# Altium PCB Proyecto_0 - V2.PcbDoc (part 3 of 6)
Units mil, origin at the board's own origin, x right, y up, seen from the top; angles counter-clockwise.
Board outline 2559.06 x 1771.65 mil, 10 copper layers (TOP, GND[1], VDD[1], Signal[1], GND[2], VDD[2], Signal[2], GND[3], VDD[3], BOT), stack 79.883 mil thick; 188 components, 257 nets, 1108 pads, 915 vias.
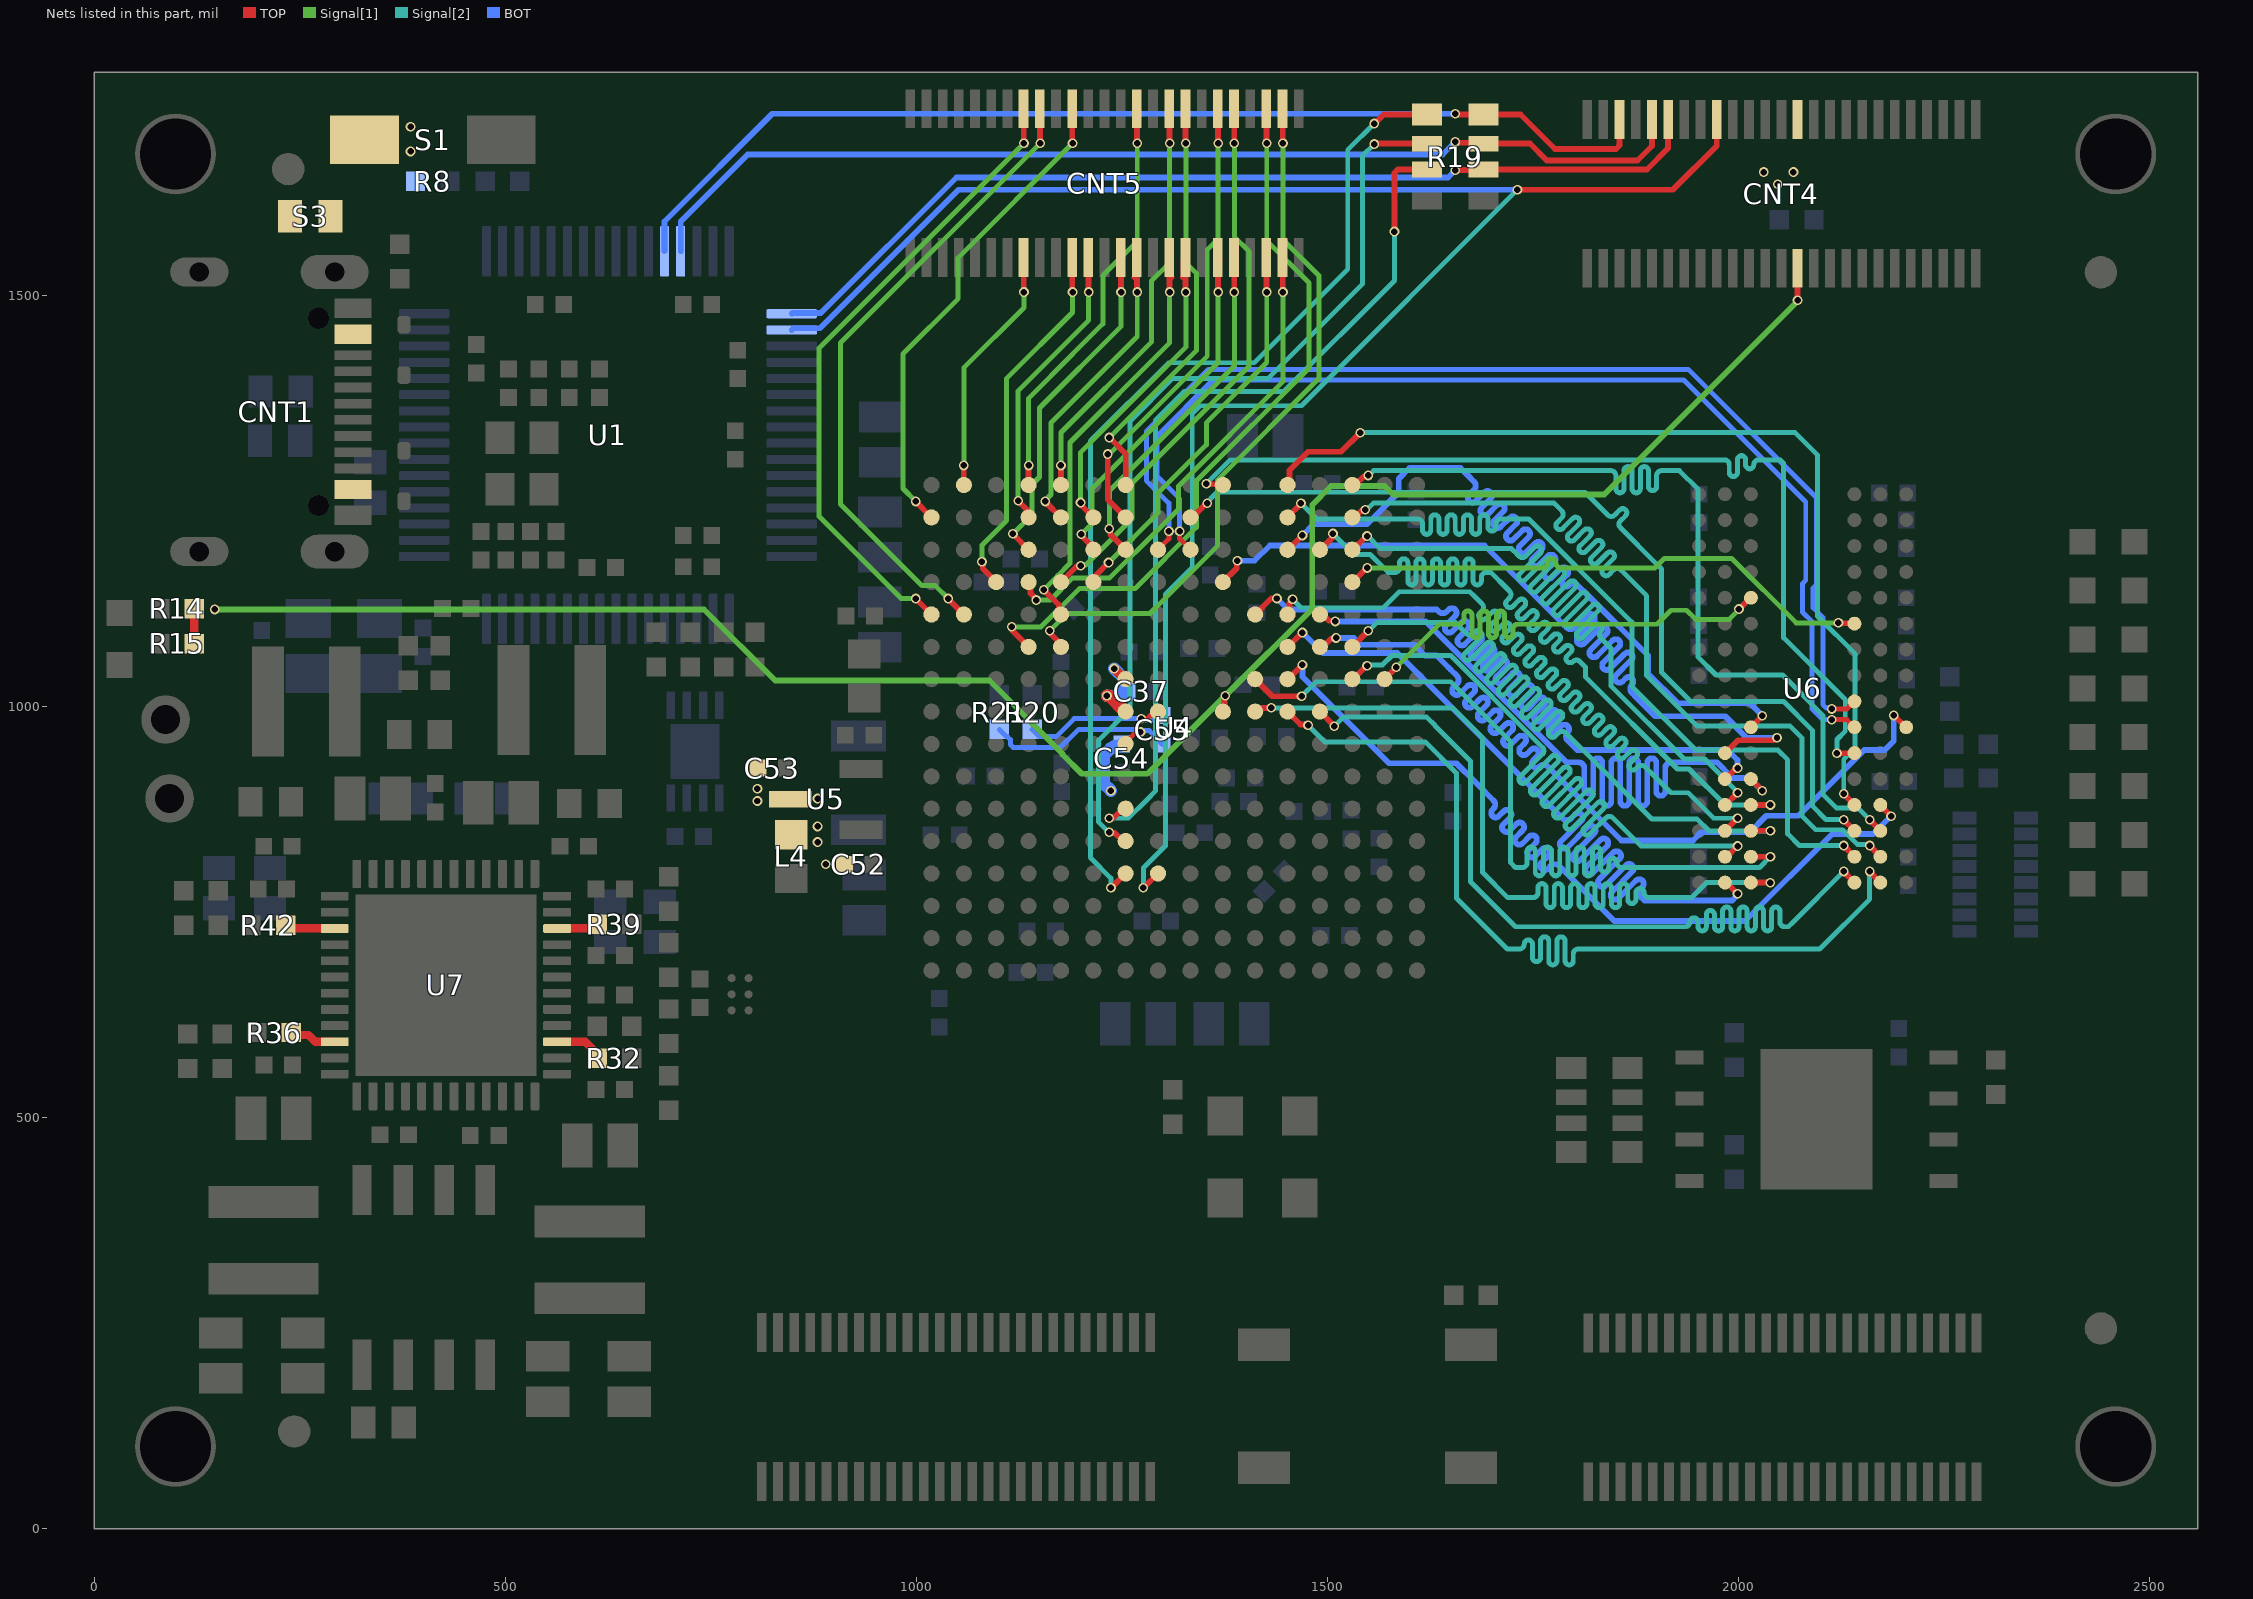
[diagram p11: the nets of this part, all layers, seen from the top]

## Via types
v1: diameter 11.81, hole 7.87, TOP to BOT, 915 vias

## Nets (pads, with @x,y where several pads share a name; then routed paths per layer and width w, separated by ;. In a path a pad name is that pad's centre, name@x,y a point inside that pad or via, vN(x,y) a via of type N, cw(c..) or ccw(c..) an arc to the next point about the centre after c; other vN are vias at no path point) (continued)
A3: CNT5.45 U4.B7 | length 562.8
  TOP w7: v1(1233,1307) 1233,1251.8 U4.B7@1254.83,1229.97 ; CNT5.45@1367.09,1726.76 1367.09,1685.34 v1(1367.33,1685.1)
  Signal[1] w6: v1(1233,1307) 1234.57,1307 1237.48,1309.91 1237.91,1309.91 1286.56,1358.56 1354,1426 1354,1555.6 1367.33,1568.93 v1(1367.33,1685.1)
A4: CNT5.6 U4.C6 | length 434.3
  TOP w6: CNT5.6@1366.85,1545.9 1367.09,1545.66 CNT5.6@1369.76,1542.99
  TOP w7: v1(1200.77,1209.29) 1200.77,1207.99 1215.46,1193.3 U4.C6@1215.46,1190.6 ; CNT5.6@1367.09,1545.66 1367.09,1504.24 v1(1367.33,1504)
  Signal[1] w6: v1(1200.77,1209.29) 1214,1222.52 1214,1265 1367.33,1418.33 v1(1367.33,1504)
A5: CNT5.5 U4.C7 | length 430.5
  TOP w6: CNT5.5@1383.63,1542.99 CNT5.5@1386.54,1545.9
  TOP w7: v1(1235,1216) 1235.92,1215.08 1235.92,1209.51 U4.C7@1254.83,1190.6 ; CNT5.5@1386.78,1545.66 1386.78,1504.24 v1(1387.02,1504)
  Signal[1] w6: v1(1235,1216) 1235,1262 1387.02,1414.02 v1(1387.02,1504)
A7: CNT5.3 U4.D6 | length 486
  TOP w6: CNT5.3@1425.91,1545.9 CNT5.3@1428.81,1542.99
  TOP w7: U4.D6@1215.46,1151.23 1215.46,1154.66 1219.81,1159.01 1219.81,1160.81 v1(1234,1175) ; CNT5.3@1426.15,1545.66 1426.15,1504.24 v1(1426.39,1504)
  Signal[1] w6: v1(1234,1175) 1294,1235 1294,1259.19 1353,1318.19 1353,1345 1426.39,1418.39 v1(1426.39,1504)
ADC_IN_N: C55.1 R21.1 U4.J7 | length 247.9
  TOP w6: U4.J7@1254.83,954.37 1254.83,956.3 v1@1266.92,968.39
  BOT w6: R21.1@1101,972 1109.81,963.19 1110.99,963.19 1114.5,959.67 1114.5,953.7 1118.01,950.19 1175.57,950.19 1197.58,972.19 1267.88,972.19 1271.16,968.91 v1(1272.73,968.91) 1273.84,970.02 1277.95,970.02 1278.48,970.55 1283.64,970.55 1291.76,962.42 1291.76,961.59 C55.1@1299,954.35
ADC_IN_P: C55.2 R20.1 U4.H8 | length 197.8
  TOP w6: v1(1273.69,985.19) 1280.89,985.19 1284.5,988.8 1285.56,988.8 1290.5,993.74 U4.H8@1294.2,993.74
  BOT w6: R20.1@1141,972 1149.81,963.19 1170.19,963.19 1192.19,985.19 v1(1273.69,985.19) 1274.81,984.08 1278.91,984.08 1279.44,983.55 1293.55,983.55 C55.2@1299,989
ADD0: U4.C13 U6.N3 | length 1165.5
  TOP w7: U4.C13@1491.05,1190.6 1491.44,1190.6 1505.96,1205.11 1505.96,1209.38 v1(1506.88,1210.3) ; U6.N3@2015.22,880.2 v1(2039.01,880.22)
  Signal[2] w6: v1(1506.88,1210.3) 1532.18,1185 1552,1185 1574,1163 1579,1163 1582,1163 ccw(c1582,1169) 1588,1169 1588,1174.62 cw(c1592.97,1174.62) 1597.94,1174.62 1597.94,1152.78 ccw(c1602.91,1152.78) 1607.87,1152.78 1607.87,1174.62 cw(c1612.84,1174.62) 1617.81,1174.62 1617.81,1152.78 ccw(c1622.78,1152.78) 1627.75,1152.78 1627.75,1174.62 cw(c1632.72,1174.62) 1637.69,1174.62 1637.69,1152.78 ccw(c1642.65,1152.78) 1647.62,1152.78 1647.62,1174.62 cw(c1652.59,1174.62) 1657.56,1174.62 1657.56,1152.78 ccw(c1662.53,1152.78) 1667.5,1152.78 1667.5,1174.62 cw(c1672.46,1174.62) 1677.43,1174.62 1677.43,1152.78 ccw(c1682.4,1152.78) 1687.37,1152.78 1687.37,1157 cw(c1693.37,1157) 1693.37,1163 1699,1163 1706.08,1155.92 1712.5,1149.5 1721.65,1140.35 cw(c1717.41,1136.11) 1721.65,1131.87 1718.43,1128.65 ccw(c1721.94,1125.14) 1718.43,1121.62 ccw(c1721.94,1125.14) 1725.46,1121.62 1732.94,1129.11 cw(c1736.45,1125.59) 1739.97,1129.1 cw(c1736.45,1125.59) 1739.97,1122.08 1732.48,1114.6 ccw(c1736,1111.08) 1732.48,1107.57 ccw(c1736,1111.08) 1739.51,1107.57 1746.99,1115.05 cw(c1750.51,1111.54) 1754.02,1115.05 cw(c1750.51,1111.54) 1754.02,1108.03 1746.54,1100.54 ccw(c1750.05,1097.03) 1746.54,1093.52 ccw(c1750.05,1097.03) 1753.56,1093.52 1761.05,1101 cw(c1764.56,1097.49) 1768.07,1101 cw(c1764.56,1097.49) 1768.07,1093.97 1760.59,1086.49 ccw(c1764.1,1082.98) 1760.59,1079.46 ccw(c1764.1,1082.98) 1767.62,1079.46 1775.1,1086.95 cw(c1778.61,1083.43) 1782.13,1086.95 cw(c1778.61,1083.43) 1782.13,1079.92 1776.65,1074.45 ccw(c1780.17,1070.93) 1776.65,1067.42 ccw(c1780.17,1070.93) 1783.68,1067.42 1789.13,1072.87 cw(c1792.64,1069.36) 1796.16,1072.87 cw(c1792.64,1069.36) 1796.16,1065.84 1791.91,1061.6 ccw(c1795.43,1058.09) 1791.91,1054.57 ccw(c1795.43,1058.09) 1798.94,1054.57 cw(c1803.18,1050.33) 1807.43,1054.57 1814,1048 1814,1045.72 1814,1036 1926.02,923.98 1939.98,923.98 1983.74,880.22 v1(2039.01,880.22)
ADD1: U4.B9 U6.P7 | length 1150.1
  TOP w7: U4.B9@1333.57,1229.97 1335.66,1229.97 1352.7,1247 v1(1354,1247) ; v1(2128.19,862.33) 2128.19,862.02 2141.2,849.01 U6.P7@2141.2,848.7
  Signal[2] w6: v1(1354,1247) 1354,1248.57 1361.58,1256.15 1361.58,1256.26 1365.82,1260.5 1813.5,1260.5 1839,1235 1841.12,1232.88 ccw(c1845.36,1237.12) 1849.61,1232.88 1855.86,1239.14 cw(c1859.38,1235.62) 1862.89,1239.14 cw(c1859.38,1235.62) 1862.89,1232.11 1856.63,1225.85 ccw(c1860.88,1221.61) 1856.63,1217.37 1900.31,1173.69 1906.5,1167.5 1906.5,1041.5 1942,1006 2055,1006 2090,971 2090,879 2106.67,862.33 v1(2128.19,862.33)
ADD2: U4.F14 U6.P3 | length 1159.8
  TOP w7: U4.F14@1530.62,1072.49 1530.62,1072.62 1549.94,1091.94 v1(1550,1091.94) ; U6.P3@2015.22,848.7 v1(2039.01,848.72)
  Signal[2] w6: v1(1550,1091.94) 1550.53,1091.94 1560.81,1102.21 1655.73,1102.21 1666.97,1090.97 1669.09,1088.85 ccw(c1673.33,1093.09) 1677.58,1088.85 1679.58,1090.85 cw(c1683.1,1087.34) 1686.61,1090.85 cw(c1683.1,1087.34) 1686.61,1083.83 1667.24,1064.46 ccw(c1670.76,1060.95) 1667.24,1057.43 ccw(c1670.76,1060.95) 1674.27,1057.43 1693.64,1076.8 cw(c1697.15,1073.29) 1700.66,1076.8 cw(c1697.15,1073.29) 1700.66,1069.77 1681.3,1050.41 ccw(c1684.81,1046.89) 1681.3,1043.38 ccw(c1684.81,1046.89) 1688.32,1043.38 1707.69,1062.75 cw(c1711.2,1059.23) 1714.71,1062.75 cw(c1711.2,1059.23) 1714.71,1055.72 1695.35,1036.35 ccw(c1698.86,1032.84) 1695.35,1029.33 ccw(c1698.86,1032.84) 1702.38,1029.33 1721.74,1048.69 cw(c1725.25,1045.18) 1728.77,1048.69 cw(c1725.25,1045.18) 1728.77,1041.67 1709.4,1022.3 ccw(c1712.91,1018.79) 1709.4,1015.28 ccw(c1712.91,1018.79) 1716.43,1015.28 1735.79,1034.64 cw(c1739.31,1031.13) 1742.82,1034.64 cw(c1739.31,1031.13) 1742.82,1027.61 1723.45,1008.25 ccw(c1726.97,1004.74) 1723.45,1001.22 ccw(c1726.97,1004.74) 1730.48,1001.22 1749.85,1020.59 cw(c1753.36,1017.08) 1756.87,1020.59 cw(c1753.36,1017.08) 1756.87,1013.56 1737.51,994.2 ccw(c1741.02,990.68) 1737.51,987.17 ccw(c1741.02,990.68) 1744.53,987.17 1763.9,1006.54 cw(c1767.41,1003.02) 1770.93,1006.54 cw(c1767.41,1003.02) 1770.93,999.51 1751.56,980.14 ccw(c1755.07,976.63) 1751.56,973.12 ccw(c1755.07,976.63) 1758.59,973.12 1777.95,992.48 cw(c1781.47,988.97) 1784.98,992.48 cw(c1781.47,988.97) 1784.98,985.46 1770.43,970.91 ccw(c1773.95,967.4) 1770.43,963.88 ccw(c1773.95,967.4) 1777.46,963.88 1781.52,967.94 cw(c1785.76,963.7) 1790,967.94 1795,962.94 1801.91,956.03 1804.03,953.91 1894.94,863 1950,863 1964.28,848.72 v1(2039.01,848.72)
ADD3: U4.C14 U6.N2 | length 1165.6
  TOP w7: U4.C14@1530.62,1190.6 1531.06,1190.6 1547.75,1207.28 v1(1548.39,1207.28) ; U6.N2@1983.72,880.2 1984.46,880.2 1999.26,895 v1@2000,895
  Signal[2] w6: v1(1548.39,1207.28) 1549.08,1207.28 1564.36,1192 1724,1192 1731,1185 1733.12,1182.88 ccw(c1737.36,1187.12) 1741.61,1182.88 1752.29,1193.56 cw(c1755.8,1190.05) 1759.31,1193.56 cw(c1755.8,1190.05) 1759.31,1186.53 1733.96,1161.17 ccw(c1737.47,1157.66) 1733.96,1154.15 ccw(c1737.47,1157.66) 1740.98,1154.15 1766.34,1179.51 cw(c1769.85,1175.99) 1773.37,1179.51 cw(c1769.85,1175.99) 1773.37,1172.48 1748.01,1147.12 ccw(c1751.52,1143.61) 1748.01,1140.1 ccw(c1751.52,1143.61) 1755.04,1140.1 1780.39,1165.45 cw(c1783.91,1161.94) 1787.42,1165.45 cw(c1783.91,1161.94) 1787.42,1158.43 1762.06,1133.07 ccw(c1765.58,1129.56) 1762.06,1126.04 ccw(c1765.58,1129.56) 1769.09,1126.04 1794.45,1151.4 cw(c1797.96,1147.89) 1801.47,1151.4 cw(c1797.96,1147.89) 1801.47,1144.37 1776.12,1119.02 ccw(c1779.63,1115.5) 1776.12,1111.99 ccw(c1779.63,1115.5) 1783.14,1111.99 1808.5,1137.35 cw(c1812.01,1133.83) 1815.53,1137.35 cw(c1812.01,1133.83) 1815.53,1130.32 1790.17,1104.96 ccw(c1793.68,1101.45) 1790.17,1097.94 ccw(c1793.68,1101.45) 1797.2,1097.94 1822.55,1123.29 cw(c1826.07,1119.78) 1829.58,1123.29 cw(c1826.07,1119.78) 1829.58,1116.27 1804.32,1091.01 ccw(c1807.83,1087.5) 1804.32,1083.98 ccw(c1807.83,1087.5) 1811.35,1083.98 1825.93,1098.56 cw(c1829.44,1095.05) 1832.95,1098.56 cw(c1829.44,1095.05) 1832.95,1091.53 ccw(c1837.19,1087.29) 1832.95,1083.05 1841.5,1074.5 1845,1071 1845,1025 1934,936 1959,936 v1@2000,895
  other v1: 1999,895
ADD4: U4.A14 U6.P8 | length 1156.2
  TOP w7: U4.A14@1530.62,1269.34 1533.86,1269.34 1544.6,1280.08 1549.08,1280.08 v1(1550,1281) ; v1(2159.69,862.33) 2159.69,862.02 2172.7,849.01 U6.P8@2172.7,848.7
  Signal[2] w6: v1(1550,1281) 1550.71,1281 1556.42,1286.71 1832,1286.71 1844.94,1286.71 cw(c1844.94,1280.71) 1850.94,1280.71 1850.94,1264.77 ccw(c1855.91,1264.77) 1860.87,1264.77 1860.87,1286.75 cw(c1865.84,1286.75) 1870.81,1286.75 1870.81,1264.77 ccw(c1875.78,1264.77) 1880.75,1264.77 1880.75,1286.75 cw(c1885.72,1286.75) 1890.69,1286.75 1890.69,1267.56 ccw(c1895.65,1267.56) 1900.62,1267.56 1900.62,1280.71 cw(c1906.62,1280.71) 1906.62,1286.71 1916,1286.71 1928.29,1286.71 1951,1264 1951,1060 1972.79,1038.21 2053.79,1038.21 2102.79,989.21 2102.79,893.21 2119.28,876.72 2145.3,876.72 v1(2159.69,862.33)
ADD5: U4.E12 U6.P2 | length 1159.3
  TOP w7: U4.E12@1451.68,1111.86 1454.11,1114.28 1454.11,1125.42 1457.73,1129.04 v1(1457.73,1130.34) ; U6.P2@1983.72,848.7 v1(1999,864)
  Signal[2] w6: v1(1457.73,1130.34) 1468.07,1120 1568,1120 1587.5,1139.5 1673.5,1139.5 1679,1134 1688.15,1124.85 cw(c1683.91,1120.61) 1688.15,1116.37 1685.65,1113.87 ccw(c1689.17,1110.36) 1685.65,1106.84 ccw(c1689.17,1110.36) 1692.68,1106.84 1700.34,1114.51 cw(c1703.86,1111) 1707.37,1114.51 cw(c1703.86,1111) 1707.37,1107.48 1699.71,1099.82 ccw(c1703.22,1096.3) 1699.71,1092.79 ccw(c1703.22,1096.3) 1706.73,1092.79 1714.4,1100.46 cw(c1717.91,1096.94) 1721.42,1100.46 cw(c1717.91,1096.94) 1721.42,1093.43 1713.76,1085.76 ccw(c1717.27,1082.25) 1713.76,1078.74 ccw(c1717.27,1082.25) 1720.78,1078.74 1728.45,1086.4 cw(c1731.96,1082.89) 1735.48,1086.4 cw(c1731.96,1082.89) 1735.48,1079.38 1727.81,1071.71 ccw(c1731.32,1068.2) 1727.81,1064.68 ccw(c1731.32,1068.2) 1734.84,1064.68 1742.5,1072.35 cw(c1746.02,1068.84) 1749.53,1072.35 cw(c1746.02,1068.84) 1749.53,1065.32 1741.86,1057.66 ccw(c1745.38,1054.14) 1741.86,1050.63 ccw(c1745.38,1054.14) 1748.89,1050.63 1756.56,1058.3 cw(c1760.07,1054.78) 1763.58,1058.3 cw(c1760.07,1054.78) 1763.58,1051.27 1755.92,1043.61 ccw(c1759.43,1040.09) 1755.92,1036.58 ccw(c1759.43,1040.09) 1762.94,1036.58 1770.61,1044.24 cw(c1774.12,1040.73) 1777.64,1044.24 cw(c1774.12,1040.73) 1777.64,1037.22 1769.97,1029.55 ccw(c1773.48,1026.04) 1769.97,1022.53 ccw(c1773.48,1026.04) 1777,1022.53 1784.66,1030.19 cw(c1788.18,1026.68) 1791.69,1030.19 cw(c1788.18,1026.68) 1791.69,1023.16 1784.02,1015.5 ccw(c1787.54,1011.99) 1784.02,1008.47 ccw(c1787.54,1011.99) 1791.05,1008.47 1798.72,1016.14 cw(c1802.23,1012.63) 1805.74,1016.14 cw(c1802.23,1012.63) 1805.74,1009.11 1798.08,1001.45 ccw(c1801.59,997.93) 1798.08,994.42 ccw(c1801.59,997.93) 1805.1,994.42 1812.77,1002.09 cw(c1816.28,998.57) 1819.8,1002.09 cw(c1816.28,998.57) 1819.8,995.06 1812.13,987.39 ccw(c1815.64,983.88) 1812.13,980.37 ccw(c1815.64,983.88) 1819.16,980.37 1826.82,988.03 cw(c1830.34,984.52) 1833.85,988.03 cw(c1830.34,984.52) 1833.85,981.01 1826.18,973.34 ccw(c1829.7,969.83) 1826.18,966.31 ccw(c1829.7,969.83) 1833.21,966.31 1840.88,973.98 cw(c1844.39,970.47) 1847.9,973.98 cw(c1844.39,970.47) 1847.9,966.95 1840.24,959.29 ccw(c1843.75,955.77) 1840.24,952.26 ccw(c1843.75,955.77) 1847.26,952.26 1854.93,959.93 cw(c1858.44,956.41) 1861.95,959.93 cw(c1858.44,956.41) 1861.95,952.9 1854.29,945.23 ccw(c1857.8,941.72) 1854.29,938.21 ccw(c1857.8,941.72) 1861.32,938.21 1868.98,945.87 cw(c1872.49,942.36) 1876.01,945.87 cw(c1872.49,942.36) 1876.01,938.85 1868.34,931.18 ccw(c1871.85,927.67) 1868.34,924.15 ccw(c1871.85,927.67) 1875.37,924.15 1877.86,926.65 cw(c1882.11,922.41) 1886.35,926.65 1896.47,916.53 1918,895 1939,895 1970,864 v1(1999,864)
ADD6: U4.B14 U6.R8 | length 1152.2
  TOP w7: U4.B14@1530.62,1229.97 1533.86,1229.97 1542.07,1238.17 1545.23,1238.17 v1(1546.15,1239.09) ; v1(2159.69,830.83) 2159.69,830.53 2172.7,817.52 U6.R8@2172.7,817.21
  Signal[2] w6: v1(1546.15,1239.09) 1547.73,1239.09 1555.98,1247.34 1775.66,1247.34 1776.03,1246.97 1785.18,1237.82 cw(c1780.94,1233.58) 1785.18,1229.33 1779.44,1223.59 ccw(c1782.96,1220.08) 1779.44,1216.57 ccw(c1782.96,1220.08) 1786.47,1216.57 1798.64,1228.73 cw(c1802.15,1225.22) 1805.66,1228.73 cw(c1802.15,1225.22) 1805.66,1221.71 1793.5,1209.54 ccw(c1797.01,1206.03) 1793.5,1202.51 ccw(c1797.01,1206.03) 1800.52,1202.51 1812.69,1214.68 cw(c1816.2,1211.17) 1819.72,1214.68 cw(c1816.2,1211.17) 1819.72,1207.65 1807.55,1195.49 ccw(c1811.06,1191.97) 1807.55,1188.46 ccw(c1811.06,1191.97) 1814.57,1188.46 1826.74,1200.63 cw(c1830.26,1197.12) 1833.77,1200.63 cw(c1830.26,1197.12) 1833.77,1193.6 1821.6,1181.43 ccw(c1825.11,1177.92) 1821.6,1174.41 ccw(c1825.11,1177.92) 1828.63,1174.41 1840.8,1186.58 cw(c1844.31,1183.06) 1847.82,1186.58 cw(c1844.31,1183.06) 1847.82,1179.55 1835.65,1167.38 ccw(c1839.17,1163.87) 1835.65,1160.35 ccw(c1839.17,1163.87) 1842.68,1160.35 1848.42,1166.09 cw(c1852.66,1161.85) 1856.91,1166.09 1878.85,1144.15 1888.42,1134.58 1888.42,1037.42 1949.85,976 2063,976 2077.5,961.5 2077.5,866.5 2094,850 2126.95,850 2145,831.95 2158.58,831.95 v1(2159.69,830.83)
ADD7: U4.G14 U6.R2 | length 1164.4
  TOP w7: U4.G14@1530.62,1033.12 1531.17,1033.12 1547.65,1049.59 v1(1548.39,1049.59) ; U6.R2@1983.72,817.21 1985.99,817.21 v1(1999,830.22)
  Signal[2] w6: v1(1548.39,1049.59) 1549.29,1050.49 1567.23,1050.49 1578.73,1062 1650,1062 1752.5,959.5 1761.65,950.35 cw(c1757.41,946.11) 1761.65,941.87 1734.59,914.81 ccw(c1738.1,911.3) 1734.59,907.78 ccw(c1738.1,911.3) 1741.62,907.78 1772.94,939.11 cw(c1776.45,935.59) 1779.97,939.1 cw(c1776.45,935.59) 1779.97,932.08 1748.64,900.76 ccw(c1752.16,897.24) 1748.64,893.73 ccw(c1752.16,897.24) 1755.67,893.73 1786.99,925.05 cw(c1790.51,921.54) 1794.02,925.05 cw(c1790.51,921.54) 1794.02,918.03 1762.7,886.7 ccw(c1766.21,883.19) 1762.7,879.68 ccw(c1766.21,883.19) 1769.72,879.68 1801.05,911 cw(c1804.56,907.49) 1808.07,911 cw(c1804.56,907.49) 1808.07,903.97 1776.75,872.65 ccw(c1780.26,869.14) 1776.75,865.62 ccw(c1780.26,869.14) 1783.78,865.62 1815.1,896.95 cw(c1818.61,893.43) 1822.13,896.95 cw(c1818.61,893.43) 1822.13,889.92 1790.8,858.6 ccw(c1794.32,855.08) 1790.8,851.57 ccw(c1794.32,855.08) 1797.83,851.57 1829.15,882.89 cw(c1832.67,879.38) 1836.18,882.89 cw(c1832.67,879.38) 1836.18,875.87 1812.42,852.11 ccw(c1815.94,848.6) 1812.42,845.08 ccw(c1815.94,848.6) 1819.45,845.08 1838.94,864.58 cw(c1843.18,860.33) 1847.43,864.57 1877,835 1881.78,830.22 v1(1999,830.22)
ADD8: U4.H12 U6.T8 | length 1153.3
  TOP w7: U4.H12@1451.68,993.55 1451.88,993.55 1467.51,977.92 1475.67,977.92 v1(1476.59,977) ; v1(2159.69,799.34) 2159.69,799.03 2172.7,786.02 U6.T8@2172.7,785.71
  Signal[2] w6: v1(1476.59,977) 1496.59,957 1619,957 1657,919 1657,767.07 1719.07,705 1733.58,705 ccw(c1733.58,711) 1739.58,711 cw(c1744.55,711) 1749.51,711 1749.51,694.5 ccw(c1754.48,694.5) 1759.45,694.5 1759.45,714.89 cw(c1764.42,714.89) 1769.39,714.89 1769.39,690.62 ccw(c1774.36,690.62) 1779.33,690.62 1779.33,714.89 cw(c1784.29,714.89) 1789.26,714.89 1789.26,690.62 ccw(c1794.23,690.62) 1799.2,690.62 1799.2,699 cw(c1805.2,699) 1805.2,705 1808.2,705 2099,705 2159.69,765.69 v1(2159.69,799.34)
ADD9: U4.G11 U6.R3 | length 1161
  TOP w7: U4.G11@1412.31,1033.12 1433.09,1012.34 v1(1468.73,1012.34) ; U6.R3@2015.22,817.21 v1(2039.01,817.22)
  Signal[2] w6: v1(1468.73,1012.34) 1486.39,1030 1650,1030 1723,957 1723,810 1729,804 1734,804 1737,804 ccw(c1737,810) 1743,810 1743,823.9 cw(c1747.97,823.9) 1752.94,823.9 1752.94,798.97 ccw(c1757.91,798.97) 1762.87,798.97 1762.87,823.9 cw(c1767.84,823.9) 1772.81,823.9 1772.81,798.97 ccw(c1777.78,798.97) 1782.75,798.97 1782.75,823.9 cw(c1787.72,823.9) 1792.69,823.9 1792.69,798.97 ccw(c1797.65,798.97) 1802.62,798.97 1802.62,823.9 cw(c1807.59,823.9) 1812.56,823.9 1812.56,798.97 ccw(c1817.53,798.97) 1822.5,798.97 1822.5,823.9 cw(c1827.46,823.9) 1832.43,823.9 1832.43,803.57 ccw(c1837.4,803.57) 1842.37,803.57 1842.37,810 cw(c1847.34,810) 1852.31,810 ccw(c1858.31,810) 1858.31,804 1900,804 2025.78,804 v1(2039.01,817.22)
ADD10: U4.A10 U6.L7 | length 1200.5
  TOP w7: v1(1353,1271) 1353.83,1270.17 1372.11,1270.17 U4.A10@1372.94,1269.34 ; v1(2119.92,942.95) 2120.16,943.19 U6.L7@2141.2,943.19
  Signal[2] w6: v1(1353,1271) 1382,1300 1970,1300 1982.94,1300 cw(c1982.94,1294) 1988.94,1294 1988.94,1284.66 ccw(c1993.91,1284.66) 1998.87,1284.66 1998.87,1300 cw(c2003.84,1300) 2008.81,1300 2008.81,1294 ccw(c2013.78,1294) 2018.75,1294 cw(c2024.75,1294) 2024.75,1300 2044.29,1300 2051,1300 2055,1296 2055,1083.49 2130,1008.49 2130,969.8 2119.92,959.72 v1(2119.92,942.95)
ADD11: U4.B12 U6.R7 | length 1148.8